# Altium PCB Flow_Pump.PcbDoc (part 3 of 3)
Units mil, origin at the board's own origin, x right, y up, seen from the top; angles counter-clockwise.
Board outline 7992.13 x 7992.13 mil, 2 copper layers (Top Layer, Bottom Layer); 257 components, 182 nets, 857 pads, 2320 vias.
Unrouted connection lines stored in the file: 1.
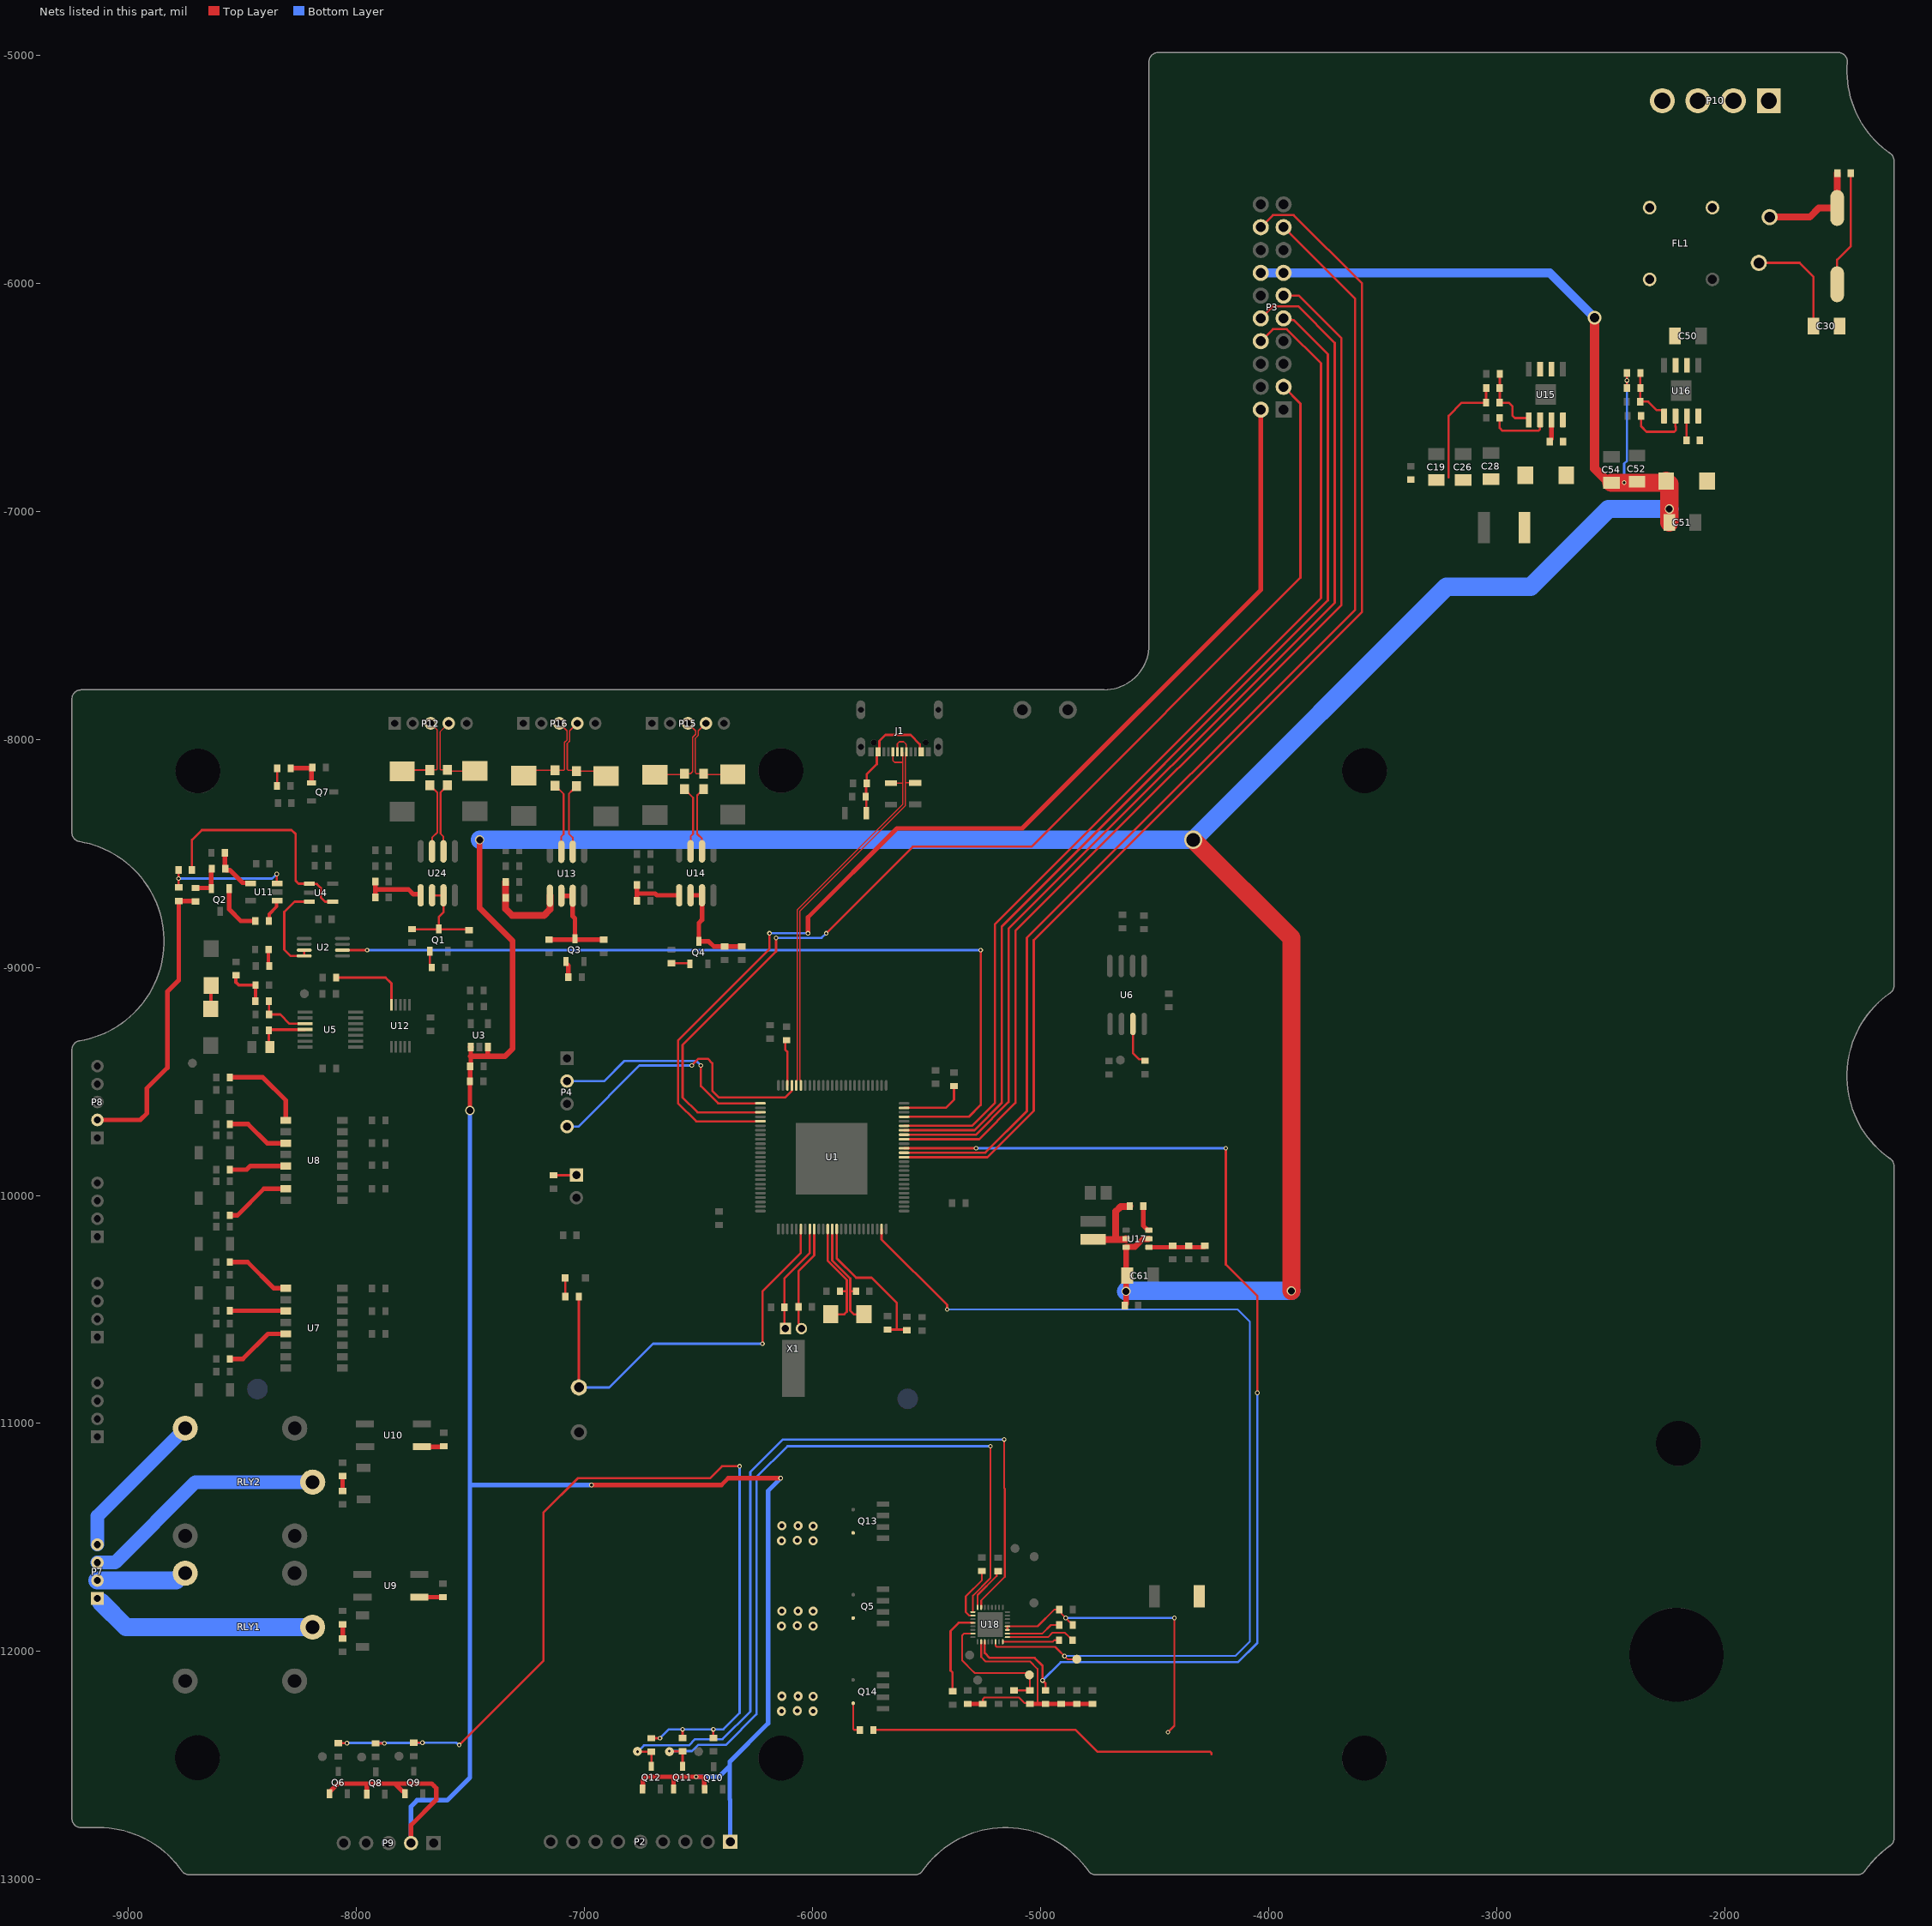
[diagram p3: the nets of this part, all layers, seen from the top]

## Via types
v1: diameter 20, hole 12, Top Layer to Bottom Layer, tented both sides, 2140 vias
v2: diameter 20, hole 12, Top Layer to Bottom Layer, 84 vias
v3: diameter 40, hole 20, Top Layer to Bottom Layer, tented both sides, 73 vias
v4: diameter 40, hole 30, Top Layer to Bottom Layer, 11 vias
v5: diameter 19.68, hole 7.87, Top Layer to Bottom Layer, 8 vias
v6: diameter 80, hole 60, Top Layer to Bottom Layer, 3 vias
v7: diameter 60, hole 40, Top Layer to Bottom Layer, 1 vias

## Nets (pads, with @x,y where several pads share a name; then routed paths per layer and width w, separated by ;. In a path a pad name is that pad's centre, name@x,y a point inside that pad or via, vN(x,y) a via of type N, cw(c..) or ccw(c..) an arc to the next point about the centre after c; other vN are vias at no path point) (continued)
MV: Q11.3 R93.2 S_RX4.1 U18.17 | length 3453.8
  Top Layer w8: U18.17@-5296.49,-11826.8 -5296.49,-11754.49 -5220,-11678 v2(-5220,-11100)
  Top Layer w10: S_RX4.1@-6628,-12439.23 -6627.06,-12438.29 R93.2@-6570,-12438.29 Q11.3@-6570,-12504.23
  Bottom Layer w10: v1(-6628,-12437) -6529.28,-12437 -6501.28,-12409 -6379,-12409 -6246,-12276 -6246,-11236 -6110,-11100 v2(-5220,-11100)
MW: Q12.3 R94.2 S_RX5.1 U18.15 | length 3697.4
  Top Layer w8: U18.15@-5260.36,-11806.43 -5260.36,-11776.36 -5157,-11673 -5157,-11286 -5160,-11283 v2(-5160,-11070)
  Top Layer w10: S_RX5.1@-6768.1,-12438.29 -6767.16,-12439.23 R94.2@-6707.1,-12439.23 Q12.3@-6707.1,-12504.23
  Bottom Layer w10: v1(-6768,-12440) -6740,-12412 -6542,-12412 -6515,-12385 -6395,-12385 -6273,-12263 -6273,-11213 -6130,-11070 v2(-5160,-11070)
nBREAK: T2.1 U1.24 U18.30 | length 4462.9
  Top Layer w8: U18.30@-5197.38,-11957.41 -5197.38,-11974.62 -5192,-11980 -4936,-11980 -4881,-12035 T2.1@-4841,-12035
  Top Layer w10: U1.24@-5697.24,-10147 -5697.24,-10192.76 -5410,-10480 v2(-5410,-10500)
  Bottom Layer w8: v2(-5410,-10500) -4135.28,-10500 -4082,-10553.28 -4082,-11956 -4146,-12020 v1(-4895,-12020)
NetC1_1: C1.1 U1.12 Y1.2 | length 503.1
  Top Layer w10: U1.12@-5933.46,-10147 -5933.46,-10286.54 -5850,-10370 -5850,-10420.51 ; Y1.2@-5920.76,-10521 -5861,-10521 -5850,-10510 -5850,-10420.51 ; C1.1@-5880,-10420 -5850.51,-10420 -5850,-10420.51
NetC2_1: C2.1 U1.13 Y1.1 | length 476.8
  Top Layer w10: U1.13@-5913.78,-10147 -5913.78,-10285.01 -5835,-10363.79 -5835,-10505 -5819,-10521 Y1.1@-5775.09,-10521 ; -5829.68,-10420 C2.1@-5810,-10420
NetC18_1: C18.1 U15.7 | length 98.1
  Top Layer w20: C18.1@-2767,-6693 -2767,-6690.05 -2759,-6682.05 U15.7@-2759,-6598.22
NetC18_2: C18.2 L1.1 U15.8
NetC19_1: C19.1 C26.1 C28.1 C40.1 C41.1 F2.1 L1.2 R51.2 | length 522
  Top Layer w10: -3210,-6850 -3210,-6580 -3153,-6523 R51.2@-3046.06,-6523 -3045.56,-6522.5 -3045.56,-6459.5 C40.1@-3045.06,-6459
NetC20_2: C20.2 U1.49 | length 293.5
  Top Layer w10: U1.49@-5598.82,-9615.5 -5415.5,-9615.5 -5380,-9580 C20.2@-5380,-9520
NetC21_2: C21.2 R69.2 U1.14 | length 675.5
  Top Layer w10: U1.14@-5894.09,-10147 -5894.09,-10275.91 -5809.2,-10360.8 -5740.83,-10360.8 -5630.5,-10471.14 -5630.5,-10588.06 ; C21.2@-5671,-10588.06 -5630.5,-10588.06 ; R69.2@-5587,-10591.06 -5590,-10588.06 -5630.5,-10588.06
NetC23_1: C23.1 R22.1 R23.2 | length 192.2
  Top Layer w15: R22.1@-8529,-9034.06 -8529,-9064 -8515.88,-9077.12 C23.1@-8443.08,-9077.12 -8443.08,-9146.29 R23.2@-8444.32,-9147.53
NetC25_2: C25.2 R23.1 U5.3 | length 234.6
  Top Layer w10: R23.1@-8385.26,-9147.53 -8384.34,-9148.46 C25.2@-8384.34,-9206.08 -8334.92,-9206.08 -8294.57,-9246.43 U5.3@-8225.34,-9246.43
NetC38_2: C38.2 R42.1 | length 61.8
  Top Layer w20: R42.1@-8061.2,-11942.75 -8061,-11942.54 C38.2@-8061,-11881.06
NetC39_2: C39.2 R43.1 | length 65.4
  Top Layer w20: R43.1@-8062,-11295.94 -8061.2,-11295.15 C39.2@-8061.2,-11230.86
NetC40_2: C40.2 R51.1 R52.2 U15.5 | length 311.6
  Top Layer w10: R52.2@-2985.94,-6397 -2985.94,-6508.17 -2989.75,-6511.97 -2989.75,-6520.25 R51.1@-2987,-6523 -2947,-6523 -2930,-6540 -2930,-6580 -2920,-6590 -2866.8,-6590 -2859,-6597.8 U15.5@-2859,-6598.22
NetC43_1: C43.1 U15.6 | length 270.5
  Top Layer w10: C43.1@-2986,-6589 -2986,-6634 -2974.14,-6645.86 -2815.86,-6645.86 -2810,-6640 -2810,-6599.22 U15.6@-2809,-6598.22
NetC47_1: C47.1 R1.2 U1.6 | length 1856.3
  Top Layer w10: C47.1@-7025,-10842 R1.2@-7024.97,-10443.03 ; v2(-6220,-10650) -6220,-10420 -6051.58,-10251.58 U1.6@-6051.58,-10147
  Bottom Layer w10: C47.1@-7025,-10842 -6892,-10842 -6700,-10650 v2(-6220,-10650)
NetC48_2: C48.2 U1.73 | length 204.4
  Top Layer w10: C48.2@-6114,-9319 -6120,-9325 -6120,-9360 -6110.63,-9369.37 U1.73@-6110.63,-9517.08
NetC49_1: C49.1 U16.7 | length 107.6
  Top Layer w10: C49.1@-2167.06,-6688 -2166.03,-6686.97 -2166.03,-6582.25 U16.7@-2165,-6581.22
NetC49_2: C49.2 L2.1 U16.8
NetC55_2: C55.2 R53.1 R54.2 U16.5 | length 268
  Top Layer w10: C55.2@-2368.94,-6392 -2369.47,-6392.53 -2369.47,-6517.47 R54.2@-2370,-6518 -2334.88,-6518 -2297.22,-6555.66 -2272.8,-6555.66 -2265,-6563.45 U16.5@-2265,-6581.22
NetC57_1: C57.1 U16.6 | length 272.5
  Top Layer w10: C57.1@-2366,-6581 -2366,-6626 -2342,-6650 -2220,-6650 -2214.14,-6644.14 -2214.14,-6629.56 -2215,-6628.7 U16.6@-2215,-6581.22
NetC58_1: C58.1 U17.6 | length 119.2
  Top Layer w20: C58.1@-4549.77,-10046.34 -4549.77,-10132.32 -4529.74,-10152.34 U17.6@-4524.82,-10152.34
NetC58_2: C58.2 L3.1 U17.2 | length 343.8
  Top Layer w30: L3.1@-4769.82,-10192.71 -4676.43,-10192.71 ; U17.2@-4625.22,-10189.74 -4625.22,-10191.96 -4625.96,-10192.71 -4676.43,-10192.71 ; C58.2@-4608.82,-10046.34 -4608.82,-10046.85 -4610.04,-10048.07 -4648.07,-10048.07 -4670,-10070 -4670,-10186.28 -4676.43,-10192.71
NetC62_2: C62.2 R55.1 R56.2 U17.4 | length 248.1
  Top Layer w20: U17.4@-4524.82,-10227.15 -4424.82,-10227.15 -4353.82,-10227.15 -4281.89,-10227.15 R56.2@-4278.25,-10223.51
NetC64_1: C64.1 U18.32 | length 249.5
  Top Layer w8: U18.32@-5165.88,-11957.41 -4946.49,-11957.41 -4940,-11950.92 C64.1@-4919.05,-11950.92
NetC64_2: C64.2 U18.1 | length 308.8
  Top Layer w8: U18.1@-5145.5,-11937.04 -4967.04,-11937.04 -4948,-11918 -4892.92,-11918 -4872.73,-11938.19 -4869.77,-11938.19 -4860,-11947.97 C64.2@-4860,-11950.92
NetC71_1: C71.1 U18.2 | length 243
  Top Layer w8: U18.2@-5145.5,-11921.29 -4991.83,-11921.29 -4954.46,-11883.92 C71.1@-4918,-11883.92
NetD1_2: D1.2 R1.1 | length 81.5
  Top Layer w10: D1.2@-7085.29,-10362 -7084,-10363.29 R1.1@-7084,-10443
NetD6_2: D6.2 D7.1 | length 103.4
  Top Layer w15: D6.2@-8640,-9181.29 -8638,-9179.29 D7.1@-8638,-9078.71
NetFB1_1: FB1.1 U24.6 | length 308.4
  Top Layer w8: U24.6@-7619,-8490.54 -7619,-8426 -7632,-8413 -7632,-8232 -7617.69,-8217.69 -7617.69,-8215.61 FB1.1@-7602,-8199.93
NetFB3_1: FB3.1 U24.7 | length 313.5
  Top Layer w8: FB3.1@-7678,-8200.93 -7678,-8202.9 -7662.31,-8218.58 -7660.35,-8218.58 -7646,-8232.93 -7646,-8407 -7669,-8430 U24.7@-7669,-8490.54
NetFB4_1: FB4.1 U13.6 | length 309.5
  Top Layer w8: U13.6@-7052,-8492.54 -7052,-8430 -7069,-8413 -7069,-8237.93 -7053.65,-8222.58 -7051.69,-8222.58 -7036,-8206.9 FB4.1@-7036,-8204.93
NetFB5_1: FB5.1 U14.6 | length 295.1
  Top Layer w8: U14.6@-6485,-8490.54 -6485.17,-8490.37 -6485.17,-8434.83 -6506,-8414 -6506,-8244.93 -6495.65,-8234.58 -6493.69,-8234.58 -6478,-8218.9 FB5.1@-6478,-8216.93
NetFB6_1: FB6.1 U13.7 | length 311.2
  Top Layer w8: FB6.1@-7129,-8201.93 -7129,-8203.9 -7113.31,-8219.58 -7111.35,-8219.58 -7092,-8238.93 -7092,-8415 -7102,-8425 U13.7@-7102,-8492.54
NetFB7_1: FB7.1 U14.7 | length 295.1
  Top Layer w8: FB7.1@-6562,-8216.93 -6562,-8218.9 -6546.31,-8234.58 -6544.35,-8234.58 -6524,-8254.93 -6524,-8414 -6535,-8425 U14.7@-6535,-8490.54
NetP1_1: P1.1 R2.2 | length 100.4
  Top Layer w10: R2.2@-7136,-9911 -7037,-9911 P1.1@-7036,-9910
NetQ1_1: Q1.1 R5.2 | length 74
  Top Layer w10: Q1.1@-7678.37,-8929.43 -7678.37,-8991.68 R5.2@-7670.06,-9000
NetQ1_3: Q1.3 R4.1 R77.2 U24.2 U24.3 | length 457.9
  Top Layer w10: R77.2@-7757,-8832 -7512,-8832 R4.1@-7507,-8837 ; U24.2@-7669,-8683.46 U24.3@-7619,-8683.46 -7619,-8758 -7639,-8778 Q1.3@-7639,-8831
NetQ2_1: Q2.1 R8.1 | length 226.3
  Top Layer w20: Q2.1@-8558.63,-8654.57 -8558.63,-8745.37 -8508,-8796 R8.1@-8444.06,-8796
NetQ2_2: Q2.2 R9.1 R13.2 | length 158.9
  Top Layer w20: R9.1@-8706,-8651 -8639.18,-8651 Q2.2@-8637.37,-8652.81 ; Q2.2@-8637.37,-8654.57 Q2.2@-8637.37,-8652.81 ; R13.2@-8635.06,-8566 -8637.37,-8568.32 Q2.2@-8637.37,-8652.81
NetQ3_1: Q3.1 R47.2 | length 73.4
  Top Layer w20: Q3.1@-7081.74,-8973 -7081.74,-8980.87 -7071.06,-8991.56 R47.2@-7071.06,-9042
NetQ3_3: Q3.3 R16.1 R49.2 U13.2 U13.3 | length 486.5
  Top Layer w20: R49.2@-7156,-8877.94 Q3.3@-7042.37,-8877.94 ; U13.2@-7102,-8685.46 U13.3@-7052,-8685.46 -7052,-8775 -7042.37,-8784.63 Q3.3@-7042.37,-8874.57 Q3.3@-7042.37,-8877.94 ; R16.1@-6916,-8877.94 Q3.3@-7042.37,-8877.94
NetQ4_1: Q4.1 R48.2 | length 82.2
  Top Layer w10: R48.2@-6619,-8981 -6541,-8981 Q4.1@-6538,-8984
NetQ4_3: Q4.3 R17.1 R50.2 U14.2 U14.3 | length 454.7
  Top Layer w20: U14.2@-6535,-8683.46 U14.3@-6485,-8683.46 -6485,-8791 -6498.63,-8804.63 Q4.3@-6498.63,-8885.57 -6455.43,-8885.57 -6433.06,-8907.94 R50.2@-6386,-8907.94 R17.1@-6311,-8907.94
NetQ7_1: Q7.1 R84.2 R85.1 | length 161.6
  Top Layer w20: R84.2@-8289,-8126 R85.1@-8197.83,-8126 ; Q7.1@-8198.43,-8190.63 -8198.43,-8129.32 -8194.06,-8124.95 R85.1@-8194.06,-8122
NetR6_1: R6.1 R7.2 U11.3 | length 558.7
  Top Layer w10: R7.2@-8781,-8572 v2(-8781,-8609.97) -8781,-8647.94 R6.1@-8780,-8648.94 ; v2(-8350,-8590) -8350,-8630.53 U11.3@-8348.93,-8631.6
  Bottom Layer w10: v2(-8781,-8609.97) -8369.97,-8609.97 v2(-8350,-8590)
NetR7_1: R7.1 U4.1 U4.4 | length 1041.9
  Top Layer w10: R7.1@-8721.94,-8572 -8721.94,-8439.94 -8679,-8397 -8285,-8397 -8266.91,-8415.09 -8266.91,-8620.09 -8254.37,-8632.63 U4.1@-8207.18,-8632.63 -8206.23,-8633.58 -8174.42,-8633.58 -8157,-8651 -8157,-8693 -8138.63,-8711.37 U4.4@-8104.82,-8711.37
NetR8_2: R8.2 U11.1 | length 104.5
  Top Layer w15: R8.2@-8385,-8796 -8383.55,-8794.55 -8383.55,-8765.55 -8350.91,-8732.91 -8350.91,-8708.38 U11.1@-8348.93,-8706.4
NetR11_2: R11.2 U6.7 | length 194.2
  Top Layer w10: U6.7@-4595,-9247.89 -4595,-9375 -4567.36,-9402.64 -4548.36,-9402.64 R11.2@-4542,-9409
NetR12_2: R12.2 R13.1 U11.4 | length 209.7
  Top Layer w20: R12.2@-8578,-8497 -8578,-8564 R13.1@-8576,-8566 -8576,-8568.95 -8572.22,-8572.73 -8556.27,-8572.73 -8500.1,-8628.9 -8467.77,-8628.9 U11.4@-8465.07,-8631.6
NetR14_1: R14.1 R18.1 U13.1 | length 393.6
  Top Layer w30: R14.1@-7346,-8625.33 R18.1@-7346,-8695 -7346,-8743 -7318,-8771 -7178,-8771 -7152,-8745 U13.1@-7152,-8685.46
NetR15_1: R15.1 R46.1 U14.1 | length 257.7
  Top Layer w20: R46.1@-6770,-8707 -6770,-8672.83 ; R15.1@-6770,-8638.67 -6770,-8672.83 ; U14.1@-6585,-8683.46 -6682.76,-8683.46 -6690.95,-8675.27 -6767.57,-8675.27 -6770,-8672.83
NetR19_1: R19.1 R20.2 | length 74.2
  Top Layer w15: R20.2@-8385.94,-8921 -8385.94,-8991 R19.1@-8382.94,-8994
NetR21_1: R21.1 U12.5 | length 347
  Top Layer w10: R21.1@-8089.94,-9044 -7873,-9044 -7847.38,-9069.62 U12.5@-7847.38,-9163.48
NetR26_1: R26.1 U7.1 | length 293.2
  Top Layer w20: R26.1@-8556.37,-10292 -8478,-10292 -8363,-10407 U7.1@-8310.77,-10407
NetR28_1: R28.1 U8.1 | length 375.4
  Top Layer w20: R28.1@-8556.37,-9482 -8411,-9482 -8310.77,-9582.23 U8.1@-8310.77,-9670.54
NetR30_1: R30.1 U7.3 | length 246.2
  Top Layer w20: R30.1@-8556.37,-10505.54 -8312.22,-10505.54 U7.3@-8310.77,-10507
NetR32_1: R32.1 U8.3 | length 280.2
  Top Layer w20: R32.1@-8556.37,-9687 -8476,-9687 -8392.46,-9770.54 U8.3@-8310.77,-9770.54
NetR34_1: R34.1 U7.5 | length 291.2
  Top Layer w20: R34.1@-8556.37,-10717 -8499,-10717 -8389,-10607 U7.5@-8310.77,-10607
NetR36_1: R36.1 U8.5 | length 252.4
  Top Layer w20: R36.1@-8556.37,-9887 -8482,-9887 -8465.54,-9870.54 U8.5@-8310.77,-9870.54
NetR40_1: R40.1 U8.7 | length 293.8
  Top Layer w20: R40.1@-8556.37,-10087 -8523,-10087 -8406.54,-9970.54 U8.7@-8310.77,-9970.54
NetR44_1: R44.1 U9.1 | length 103.1
  Top Layer w20: U9.1@-7725.12,-11761.8 R44.1@-7622,-11761.8
NetR45_1: R45.1 U10.1 | length 97.8
  Top Layer w20: U10.1@-7714,-11102 -7619,-11102 R45.1@-7617,-11100
NetR61_1: R61.1 U18.20 | length 382.1
  Top Layer w10: R61.1@-5386,-12174.94 -5386,-12093 -5395,-12084 -5395,-11910 -5359.05,-11874.05 U18.20@-5296.49,-11874.05
NetR62_1: R62.1 U18.18 | length 247.8
  Top Layer w8: U18.18@-5296.49,-11842.55 -5313.23,-11842.55 -5328,-11827.78 -5328,-11758 -5257,-11687 R62.1@-5257,-11647
NetR63_1: R63.1 U18.16 | length 194.5
  Top Layer w8: U18.16@-5276.11,-11806.43 -5276.11,-11752.5 -5192.71,-11669.09 -5192.71,-11651.76 R63.1@-5188.95,-11648
NetR75_1: R75.1 R76.1 U24.1 | length 279
  Top Layer w20: R76.1@-7918.06,-8692 -7918.06,-8657.67 ; R75.1@-7918.06,-8623.33 -7918.06,-8657.67 ; U24.1@-7719,-8683.46 -7719,-8682.43 -7722.49,-8678.94 -7751.06,-8678.94 -7772.33,-8657.67 -7918.06,-8657.67
NetR83_2: R83.2 R84.1 | length 78.4
  Top Layer w10: R83.2@-8349,-8204 -8348.06,-8203.06 R84.1@-8348.06,-8126
op_3.3v: C65.1 FB2.2 U5.4 | length 236.2
  Top Layer w13: FB2.2@-8380.26,-9349 -8384.94,-9344.31 C65.1@-8384.94,-9276 -8380.96,-9272.02 U5.4@-8225.34,-9272.02
osc_in: C5.1 U1.8 X1.2 | length 484.5
  Top Layer w10: X1.2@-6119,-10584 -6123,-10580 C5.1@-6123,-10490 -6123,-10363 -6012.2,-10252.2 U1.8@-6012.2,-10147
osc_out: C6.1 U1.9 X1.1 | length 471.2
  Top Layer w10: X1.1@-6049,-10584 -6049,-10573.18 -6062,-10560.18 C6.1@-6062,-10489 -6062,-10332 -5992.52,-10262.52 U1.9@-5992.52,-10147
PWM: R59.1 U1.40 U18.27 | length 5088
  Top Layer w10: U1.40@-5598.82,-9792.67 v1(-5282.67,-9792.67) ; U18.27@-5244.61,-11957.41 -5244.61,-12006.39 -5223,-12028 -5026,-12028 -4991.33,-12062.67 v1(-4991.33,-12127) -4978.33,-12140 R59.1@-4978.33,-12170.94 ; v1(-4187.33,-9792.67) -4187.33,-10302.67 -4049,-10441 v1(-4049,-10865.9)
  Bottom Layer w10: v1(-5282.67,-9792.67) v1(-4187.33,-9792.67) ; v1(-4991.33,-12127) -4911.33,-12047 -4134,-12047 -4049,-11962 v1(-4049,-10865.9)
relay_A1: P7.3 RLY2.5 | length 1090.7
  Bottom Layer w60: P7.3@-9137,-11609.87 -9059.87,-11609.87 -8707,-11257 RLY2.5@-8192.47,-11257
relay_A2: P7.1 RLY1.5 | length 973.8
  Bottom Layer w80: P7.1@-9121.18,-11783.18 -9011.15,-11893.2 RLY1.5@-8192.93,-11893.2
relay_B1: P7.4 RLY2.2 | length 670
  Bottom Layer w60: P7.4@-9137,-11531.13 -9137,-11406.26 RLY2.2@-8751.53,-11020.8
relay_B2: P7.2 RLY1.2 | length 398.1
  Bottom Layer w80: P7.2@-9137,-11688.61 -8791.73,-11688.61 -8760.11,-11657 RLY1.2@-8752,-11657
RESX: P3.17 U1.39 | length 5218.1
  Top Layer w10: U1.39@-5598.82,-9812.35 -5291.27,-9812.35 -5290.95,-9812.67 -5274.39,-9812.67 -5274.07,-9812.35 -5242.35,-9812.35 -5060,-9630 -5060,-8870 -3620,-7430 -3620,-6067 P3.17@-3934,-5753
rs4851_N: D5.2 FB3.2 P12.3 | length 370.6
  Top Layer w6: D5.2@-7800,-8140 -7794,-8134 FB3.2@-7678,-8134 -7677,-8133 -7649.72,-8133 -7646.21,-8129.49 -7646.21,-7957.79 P12.3@-7675,-7929
rs4851_P: D14.2 FB1.2 P12.4 | length 372.9
  Top Layer w6: P12.4@-7596.26,-7929 -7634.21,-7966.95 -7634.21,-8129.49 -7630.69,-8133 FB1.2@-7602,-8133 -7597,-8138 D14.2@-7481,-8138
rs4852_N: D18.2 FB6.2 P16.3 | length 410.8
  Top Layer w6: D18.2@-7267,-8158 -7244,-8135 FB6.2@-7129,-8135 -7091.39,-8135 -7087.88,-8131.49 -7087.88,-8012.49 -7077.39,-8002 -7077.39,-7962.37 P16.3@-7110.76,-7929
rs4852_P: D19.2 FB4.2 P16.4 | length 402.3
  Top Layer w6: P16.4@-7032.02,-7929 -7065.39,-7962.37 -7065.39,-8006.97 -7075.88,-8017.46 -7075.88,-8131.49 -7072.36,-8135 -7039,-8135 FB4.2@-7036,-8138 -6928,-8138 D19.2@-6906,-8160
rs4853_N: D20.2 FB7.2 P15.3 | length 401.5
  Top Layer w6: D20.2@-6691,-8153.83 -6565.83,-8153.83 FB7.2@-6562,-8150 -6535,-8150 -6526,-8141 -6526,-7989.84 -6513.15,-7976.99 -6513.15,-7962.37 P15.3@-6546.52,-7929
rs4853_P: D21.2 FB5.2 P15.4 | length 402.5
  Top Layer w6: P15.4@-6467.78,-7929 -6501.15,-7962.37 -6501.15,-7981.96 -6514,-7994.81 -6514,-8145 -6509,-8150 FB5.2@-6478,-8150 -6475,-8153 D21.2@-6350,-8153
RTN: C30.2 C42.2 C44.2 C45.2 FL1.4 P10.1 P10.2 R64.1 | length 2041.5
  Top Layer w10: C42.2@-5732.94,-12344 -4846,-12344 -4750,-12440 -4255.86,-12440 -4250,-12445.86 -4250,-12450 ; C45.2@-1506,-6003.32 -1506,-5896 -1446,-5836 C44.2@-1446,-5516
RUN: P3.10 U1.43 | length 4852.7
  Top Layer w10: U1.43@-5598.82,-9733.61 -5283.81,-9733.61 -5140,-9589.8 -5140,-8830 -3710,-7400 -3710,-6260 -3870,-6100 -3981,-6100 P3.10@-4034,-6153
SCL: P3.3 U1.78 | length 5060.2
  Top Layer w10: U1.78@-6228.74,-9635.19 -6504.81,-9635.19 -6570,-9570 -6570,-9340 -6160,-8930 v1(-6160,-8870) ; v1(-5940,-8850) -5560,-8470 -5040,-8470 -3860,-7290 -3860,-6527 P3.3@-3934,-6453
  Bottom Layer w10: v1(-6160,-8870) -5960,-8870 v1(-5940,-8850)
SCLK_AO: U1.47 U2.6 | length 3836
  Top Layer w10: U2.6@-8062.1,-8923.8 v1(-7953.8,-8923.8) ; U1.47@-5598.82,-9654.87 -5314.87,-9654.87 -5262.74,-9602.74 v1(-5262.74,-8923.8)